# Altium PCB MB1419.PcbDoc (part 2 of 5)
Units mm, origin at the board's own origin, x right, y up, seen from the top; angles counter-clockwise.
Board outline 31 x 41 mm, 8 copper layers (Top Layer, Signal Layer 1, Signal Layer 2, Signal Layer 3, Signal Layer 4, Signal Layer 5, Signal Layer 6, Bottom Layer), stack 1.536 mm thick; 212 components, 125 nets, 637 pads, 2405 vias.
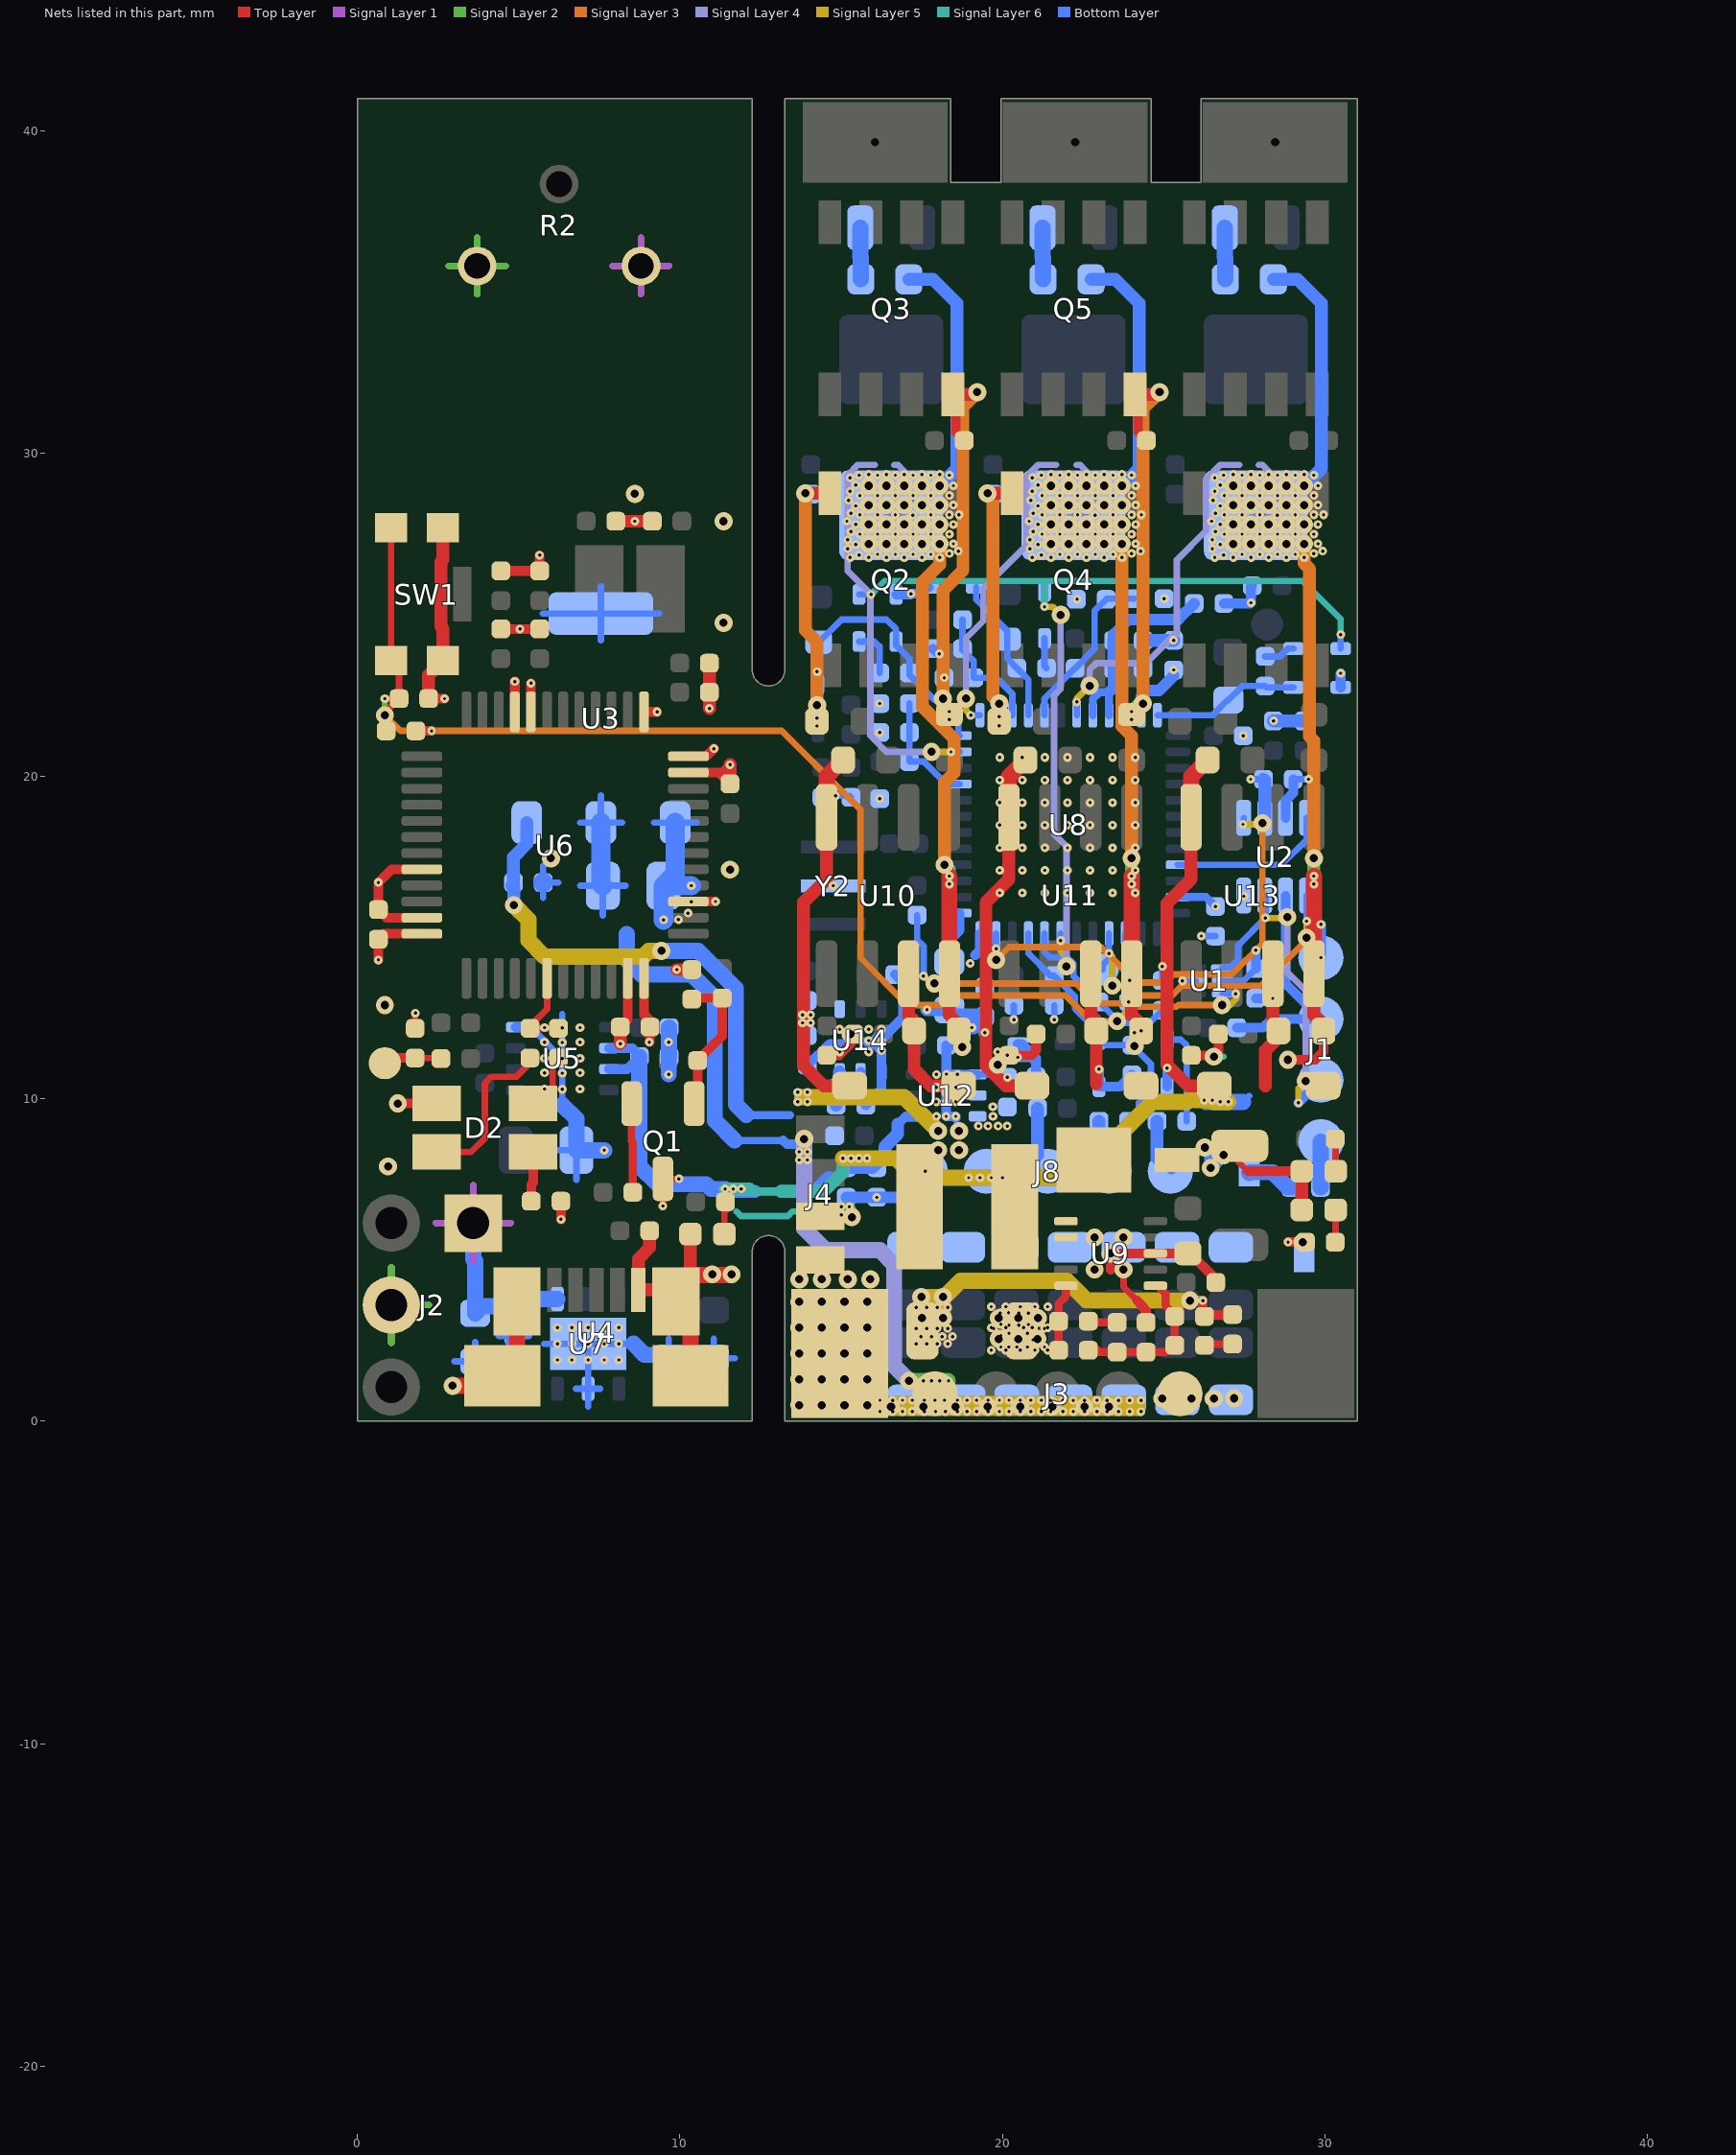
[diagram p8: the nets of this part, all layers, seen from the top]

## Part data (continued)
R64 R65 R66: library part RES, "RES SMD 22K OHM 1% 1/10W 0402", Manufacturer="Panasonic Electronic Components", Manufacturer PN=ERJ-2RKF2202X, Package Size="0402 (1005 Metric)", Rated Power="0.1W, 1/10W", Temperature Coefficient=100ppm/C, Tolerance=1%, CLASS=DISCRETE, PART_NUMBER=TMP-751
R68: library part RES, "RES SMD 169K OHM 1% 1/16W 0402", Manufacturer=Yageo, Manufacturer PN=RC0402FR-07169KL, Package Size="0402 (1005 Metric)", Rated Power="0.063W, 1/16W", Temperature Coefficient=100ppm/C, Tolerance=1%, CLASS=DISCRETE, PART_NUMBER=TMP-424
R74 R75 R77: library part RES, "RES SMD 1.8K OHM 1% 1/16W 0402", Manufacturer=Yageo, Manufacturer PN=RC0402FR-071K8L, Package Size="0402 (1005 Metric)", Rated Power="0.063W, 1/16W", Temperature Coefficient=100ppm/C, Tolerance=1%, CLASS=DISCRETE, PART_NUMBER=TMP-394
R76: library part RES, "RES SMD 18K OHM 1% 1/16W 0402", Manufacturer=Yageo, Manufacturer PN=RC0402FR-0718KL, Package Size="0402 (1005 Metric)", Rated Power="0.063W, 1/16W", Temperature Coefficient=100ppm/C, Tolerance=1%, CLASS=DISCRETE, PART_NUMBER=TMP-425
RT1: library part NTC, "NTC THERMISTOR 10K OHM 1% 0402", Manufacturer="TDK Corporation", Manufacturer PN=NTCG103JF103FT1, Package Size="0402 (1005 Metric)", CLASS=DISCRETE, PART_NUMBER=TMP-423
SW1: library part PUSHBUTTON-SPST-2, "SWITCH TACTILE SPST-NO 0.05A 32V", Manufacturer=C&K, Manufacturer PN=KMR211GLFS, Package Size="4.60mm x 2.80mm", CLASS=DISCRETE, PART_NUMBER=TMP-285
TP1 TP2 TP3: library part TESTPOINT, "TEST POINT 1MM  SMD PADSTASCK", CLASS=IO, PART_NUMBER=TMP-386
U1: library part AS11P2TLR, "IC ANLG SWITCH SGL SPDT 6QFN", Manufacturer=STMicroelectronics, Package Size=6-UFDFN, CLASS=IC, Manufacturer PN=AS11P2TLRQ, PART_NUMBER=TMP-378
U2: library part TCAN330, "IC TXRX CAN 3.3V SOT-23", Manufacturer="Texas Instruments", Package Size=SOT-23-8, Supply Voltage="3 V ~ 3.6 V", CLASS=IC, Manufacturer PN=TCAN330DCNT, PART_NUMBER=TMP-379
U3: library part LD1117SxxxTR_0, "IC REG LINEAR 5V 800MA SOT223", Manufacturer=STMicroelectronics, Package Size="TO-261-4, TO-261AA", CLASS=IC, Manufacturer PN=LD1117S50TR, PART_NUMBER=TMP-381
U4: library part USB_MICRO, "CONN RCPT 5POS MICRO USB R/A", Manufacturer="Molex, LLC", Manufacturer PN=0473460001, CLASS=IO, PART_NUMBER=TMP-434
U5: "IC PWR SWITCH 1.2A HISIDE 8-DFN", Manufacturer=STMicroelectronics, Package Size="8-VDFN Exposed Pad", Supply Voltage="Not Required", CLASS=IC, Manufacturer PN=ST890DTR, PART_NUMBER=TMP-432
U6: "IC MCU 32BIT 128KB FLASH 48LQFP", Manufacturer=STMicroelectronics, Package Size=48-LQFP, Supply Voltage="2 V ~ 3.6 V", CLASS=IC, Manufacturer PN=STM32F103CBT6, PART_NUMBER=TMP-399
U7: "IC REG LINEAR 3.3V 500MA 6DFN", Manufacturer=STMicroelectronics, Package Size="6-VDFN Exposed Pad", CLASS=IC, Manufacturer PN=LD39050PU33R, PART_NUMBER=TMP-358
U8: library part STM32_LQFP64_6
U9: "IC REG BUCK ADJ 3A 10VDFPN", Manufacturer=STMicroelectronics, Package Size="10-VFDFN Exposed Pad", CLASS=IC, Manufacturer PN=L7986TR, PART_NUMBER=TMP-362
U10 U11 U13: library part L6387E, "IC DRIVER HI/LO SIDE HV 8-SOIC", Manufacturer=STMicroelectronics, Package Size="8-SOIC (0.154\", 3.90mm Width)", Supply Voltage="17V (Max)", CLASS=IC, Manufacturer PN=L6387ED, PART_NUMBER=TMP-367
U12 U14: library part LDFPxR, "IC REG LINEAR POS ADJ 1A 6DFN", Manufacturer=STMicroelectronics, Package Size="6-VDFN Exposed Pad", CLASS=IC, Manufacturer PN=LDFPVR, PART_NUMBER=TMP-450
Y1: library part crystal, "CRYSTAL 8.0000MHZ 8PF SMD", Frequency Stability=150ppm, Frequency Tolerance=50ppm, Manufacturer="NDK America, Inc.", Package Size="0.126\" L x 0.098\" W (3.20mm x 2.50mm)", CLASS=DISCRETE, Manufacturer PN=NX3225GD-8MHZ-STD-CRA-3, PART_NUMBER=TMP-435
Y2: library part resonator, "CER RES 8.0000MHZ 33PF SMD", Frequency Stability=0.13%, Frequency Tolerance=0.1%, Manufacturer="Murata Electronics North America", Manufacturer PN=CSTNE8M00GH5C000R0, Package Size="0.126\" L x 0.051\" W (3.20mm x 1.30mm)", CLASS=DISCRETE, PART_NUMBER=TMP-382

## Via types
v1: diameter 0.27, hole 0.1, Top Layer to Signal Layer 1, 715 vias
v2: diameter 0.27, hole 0.1, Signal Layer 6 to Bottom Layer, 503 vias
v3: diameter 0.27, hole 0.1, Signal Layer 1 to Signal Layer 2, 497 vias
v4: diameter 0.27, hole 0.1, Signal Layer 5 to Signal Layer 6, 309 vias
v5: diameter 0.559, hole 0.254, Top Layer to Bottom Layer, 214 vias
v6: diameter 0.559, hole 0.254, Signal Layer 2 to Signal Layer 5, 155 vias
v7: diameter 0.254, hole 0.254, Top Layer to Bottom Layer, 12 vias

## Nets (pads, with @x,y where several pads share a name; then routed paths per layer and width w, separated by ;. In a path a pad name is that pad's centre, name@x,y a point inside that pad or via, vN(x,y) a via of type N, cw(c..) or ccw(c..) an arc to the next point about the centre after c; other vN are vias at no path point)
5V_ESC: C9.1 C57.1 C63.1 C70.1 D1.C J8.4 R42.2 U5.6 U5.7 U12.1 U14.5 U14.6 | length 37.7
  Signal Layer 5 w0.5: v4(15.05,8.15) v4(15.3,8.15) v4(15.55,8.15) v4(15.8,8.15) 16.7,8.15 17.3,7.55 v2(18.95,7.55) v2(19.3,7.55) v2(19.65,7.55) v2(20,7.55) 22.3,7.55 24.65,9.9 25.713,9.9 25.763,9.95 v4(26.25,9.95) v4(26.5,9.95) 26.55,9.9 v4(26.75,9.9) v4(27,9.9)
  Signal Layer 6 w0.2: 12.146,7.2 12.2,7.146
  Signal Layer 6 w0.25: 12.2,7.146 12.225,7.121 13.129,7.121
  Signal Layer 6 w0.4: v2(11.4,7.2) v2(11.65,7.2) v2(11.9,7.2) 12.146,7.2 ; 13.129,7.121 14.458,7.121 15.05,7.713 v4(15.05,8.15) v4(15.3,8.15) v4(15.55,8.15) v4(15.8,8.15)
  Signal Layer 6 w0.5: v4(26.25,9.95) 26.3,9.9 26.45,9.9 v4(26.5,9.95) 26.55,9.9 v4(26.75,9.9) v4(27,9.9)
  Bottom Layer w0.2: C9.1@8.74,11.3 C9.1@8.74,11.35 ; 27.45,9.9 27.631,10.081 D1.C@27.65,10.081
  Bottom Layer w0.25: 12.323,7.127 12.477,7.127 12.483,7.121 12.917,7.121 12.923,7.127 13.15,7.127
  Bottom Layer w0.3: U5.7@7.795,10.915 8.365,10.915 8.74,11.29 C9.1@8.74,11.3 ; U5.6@7.795,11.565 8.525,11.565 C9.1@8.74,11.35 ; U14.6@14.95,10.6 15.103,10.447 15.386,10.447 15.6,10.661 U14.5@15.6,10.825 ; 16.75,9.2 17,9.45 U12.1@17.275,9.45
  Bottom Layer w0.4: v2(11.4,7.2) 11.45,7.2 11.523,7.127 12.323,7.127 ; 13.15,7.127 14.177,7.127 14.61,7.56 ; C63.1@14.84,9.8 14.84,10.49 14.95,10.6 U14.6@14.95,10.825 ; C57.1@15.15,7.86 15.95,7.86 16.35,8.26 16.35,8.51 16.75,8.91 16.75,9.2
  Bottom Layer w0.5: C9.1@8.74,11.29 8.74,7.91 9.3,7.35 10.8,7.35 10.95,7.2 v2(11.4,7.2) ; v4(26.25,9.95) 26.7,9.95 v4(26.75,9.9) 27.45,9.9
  other v2: 15.05,8.15 15.3,8.15 15.55,8.15 15.8,8.15 26.75,9.9 26.25,9.95
  other v4: 18.95,7.55 19.3,7.55 19.65,7.55 20,7.55
+3.3V: C1.1 C2.1 C18.1 C19.2 C20.1 C24.1 C64.1 D10.C D12.C D14.C D16.C D17.C D18.C D19.C J4.3 L1.1 R29.1 R49.2 R64.2 R65.2 R66.2 R71.1 R72.1 R73.2 RT1.1 U1.2 U2.3 U8.1 U8.23 U8.35 U8.48 U14.1 | length 21.6
  Top Layer w0.2: J4.3@14.7,6.35 15,6.35 v3(15,6.4) v3(15,6.65)
  Top Layer w0.3: v3(28.85,5.55) R29.1@29.39,5.55
  Signal Layer 2 w0.2: v3(15,6.4) 15,6.45 15.15,6.6 15.2,6.6 v3(15.25,6.65) v6@15.25,6.45 ; v3(28.85,5.55) v6(29.3,5.55)
  Signal Layer 2 w0.27: v3(15,6.4) 15.075,6.325 v6(15.325,6.325) 15.325,6.575 v3(15.25,6.65) v3(15,6.65) v3@15,6.45
  Bottom Layer w0.2: v4(13.8,12.35) 13.95,12.2 C64.1@13.95,11.96 ; R71.1@24.95,13.66 v4(24.95,14.1) ; U1.2@26.82,13.65 27.47,13.65 C1.1@27.85,14.03 ; C2.1@29.01,19.9 v4(29.487,19.9)
  Bottom Layer w0.25: U8.23@24.3,21.885 24.3,22.465 ; C24.1@25.3,23.1 v4(25.3,23.29) ; U8.35@25.435,16.25 26.31,16.25 v4(26.6,15.96)
  Bottom Layer w0.3: v4(14.25,23.237) 14.27,23.217 D16.C@14.27,22.83 ; D10.C@16.7,25.63 17.143,25.63 v4(17.163,25.65) 17.35,25.65 17.55,25.85 D12.C@17.72,25.85 ; R65.2@17.84,23.95 17.94,23.85 17.98,23.85 v4(18.04,23.79) ; 18.45,15 18.665,15.215 U8.1@18.665,15.75 ; 19.15,14.45 19.3,14.6 U8.48@19.3,15.115 ; R73.2@21.04,10.68 21.04,11.13 ; v4(22.99,10.91) D18.C@22.99,10.37 23.64,10.37 R72.1@24.01,10.74 ; D17.C@25.1,10.37 v4(25.1,10.95) ; L1.1@26.86,25.35 27.677,25.35 v4(27.7,25.373) 27.7,25.86 RT1.1@27.74,25.9 ; C1.1@27.85,14.03 v4(27.85,14.6) ; U2.3@28.775,18.705 28.775,19.24 29.01,19.475 C2.1@29.01,19.9 ; D14.C@30.48,22.75 v4(30.48,23.187) ; D19.C@20.47,11.7 v4(20.47,11.28) 20.89,11.28 ; D19.C@20.47,11.7 20.89,11.28 ; D19.C@20.47,11.7 20.59,11.7 21.01,11.28 ; 20.89,11.28 21.01,11.28 ; 20.89,11.28 21.04,11.13 ; 21.01,11.28 21.04,11.25 21.04,11.13
  Bottom Layer w0.35: 24.3,22.465 24.485,22.65 24.85,22.65 C24.1@25.3,23.1
  other v1: 28.85,5.55 15,6.4 15,6.65 15.25,6.65
  other v2: 22.99,10.91 25.1,10.95 20.47,11.28 13.8,12.35 14.05,12.35 13.8,12.6 14.05,12.6 24.95,14.1 19,14.195 27.85,14.6 26.6,15.96 29.487,19.9 16.19,22.25 30.48,23.187 14.25,23.237 25.3,23.29 18.04,23.79 27.7,25.373 22.31,25.48 17.163,25.65
  other v4: 14.05,12.35 13.8,12.6 14.05,12.6 19,14.195 16.19,22.25 22.31,25.48
+3V3_ST_LINK: C3.1 C4.1 C16.1 C17.1 J2.1 Q1.3 R2.3 R10.1 R11.1 R15.1 R19.2 U6.1 U6.9 U6.24 U6.36 U6.39 U6.48 U7.4 | length 33.2
  Top Layer w0.2: v1(9.47,6.67) Q1.3@9.47,7.515 v1(9.965,7.515)
  Top Layer w0.3: v1(0.65,14.3) C3.1@0.65,14.94 0.82,15.11 U6.24@2,15.11 ; R10.1@1.81,21.4 v1(2.3,21.4) ; R19.2@4.45,26.36 R15.1@5.65,26.36 v3(5.65,26.85) ; U6.9@4.88,21.99 v1(4.88,22.93) ; v1(6.31,6.26) R11.1@6.31,6.82 ; U6.36@8.88,13.73 8.88,12.61 9.07,12.42 9.07,11.77 v1(9.05,11.75) ; U6.1@8.88,21.99 v1(9.29,21.99) ; U6.39@10.26,16.11 v1(11.1,16.11) ; U6.48@10.26,20.61 10.81,20.61 v1(11.05,20.85)
  Signal Layer 1 w0.2: 2.423,6.14 J2.1@3.59,6.14 ; 3.59,4.973 J2.1@3.59,6.14 ; 3.59,7.307 J2.1@3.59,6.14 ; 4.757,6.14 J2.1@3.59,6.14 ; 7.912,35.815 R2.3@8.79,35.815 ; 8.79,34.937 R2.3@8.79,35.815 ; 8.79,36.693 R2.3@8.79,35.815 ; 9.668,35.815 R2.3@8.79,35.815
  Signal Layer 5 w0.2: 2.423,6.14 J2.1@3.59,6.14 ; 3.59,4.973 J2.1@3.59,6.14 ; 3.59,7.307 J2.1@3.59,6.14 ; 4.757,6.14 J2.1@3.59,6.14 ; 7.912,35.815 R2.3@8.79,35.815 ; 8.79,34.937 R2.3@8.79,35.815 ; 8.79,36.693 R2.3@8.79,35.815 ; 9.668,35.815 R2.3@8.79,35.815
  Bottom Layer w0.5: J2.1@3.59,6.14 3.59,5.024 3.65,4.964 C16.1@3.65,3.345 3.865,3.56 C17.1@4.85,3.56 5.367,3.56 5.597,3.79 U7.4@6.2,3.79
  other v1: 5.65,26.85
+5V: C6.1 J3.1 U3.2 U3.4 | length 38.3
  Top Layer w0.2: J3.1@17.9,0.85 J3.1@18.05,0.85 ; J3.1@18.297,1.25 J3.1@18.323,1.25
  Signal Layer 2 w0.2: v6(17.1,1.25) 17.108,1.258 v3@17.442,1.258
  Signal Layer 2 w0.5: v6(17.1,1.25) v3(17.55,1.25) v3(17.8,1.25) v3(18.05,1.25) v3@18.297,1.25
  Signal Layer 4 w0.5: v6(13.85,8.75) 13.85,5.971 14.521,5.3 16.2,5.3 16.636,4.864 16.636,1.714 v6(17.1,1.25)
  Signal Layer 5 w0.2: v4(13.7,8.35) 13.825,8.225 v4(13.95,8.1) ; v4(13.7,8.35) 13.7,8.6 v6(13.85,8.75) ; v4(13.7,8.35) v4(13.7,8.1) v4(13.95,8.1) ; v4(13.7,8.35) v4(13.95,8.35) ; v6(13.85,8.75) 13.95,8.65 v4@13.95,8.4 ; v6(13.85,8.75) 13.85,8.5 v4@13.95,8.4 ; v4(13.95,8.1) v4(13.95,8.35) ; v4(13.95,8.35) v4@13.95,8.4
  Bottom Layer w0.2: 5.747,25.04 U3.4@7.55,25.04 ; 6.897,18.56 U3.2@7.55,18.56 ; 6.907,16.6 C6.1@7.61,16.6 ; 7.55,19.398 U3.2@7.55,18.56 ; 7.55,24.202 U3.4@7.55,25.04 ; 7.55,25.878 U3.4@7.55,25.04 ; 7.61,15.682 C6.1@7.61,16.6 ; 7.61,17.518 C6.1@7.61,16.6 ; 8.203,18.56 U3.2@7.55,18.56 ; 8.313,16.6 C6.1@7.61,16.6 ; 8.35,15.1 8.35,15.2 ; 9.353,25.04 U3.4@7.55,25.04 ; v4(13.7,8.35) v4(13.7,8.1) v4(13.95,8.1)
  Bottom Layer w0.22: 11.7,8.7 13.2,8.7
  Bottom Layer w0.3: 13.2,8.7 13.314,8.586 13.85,8.586
  Bottom Layer w0.5: 8.35,15.1 8.35,14.3 8.8,13.85 10.352,13.85 11.08,13.122 11.08,9.32 11.7,8.7
  Bottom Layer w0.6: U3.2@7.55,18.56 7.55,16.66 C6.1@7.61,16.6
  other v1: 17.55,1.25 17.8,1.25 18.05,1.25 18.325,1.25
  other v2: 13.7,8.1 13.95,8.1 13.7,8.35 13.95,8.35
  other v3: 18.325,1.25
+10V: C5.1 C42.2 C45.2 C49.1 C55.1 C56.1 C62.1 D6.A D8.A D9.A L2.2 R30.1 U3.3 U10.3 U11.3 U12.5 U12.6 U13.3 | length 48.6
  Top Layer w0.3: v3(26.21,3.74) 26.21,3.4 26.26,3.35 R30.1@26.26,3.25 26.31,3.3 27.12,3.3 C42.2@27.13,3.31
  Top Layer w0.4: U10.3@17.085,13.875 17.085,12.578 17.255,12.408 C49.1@17.255,12.1 17.255,10.918 17.773,10.4 D6.A@18.575,10.4 ; U11.3@22.735,13.875 22.735,12.578 22.905,12.408 C55.1@22.905,12.1 22.905,10.449 ; 28.15,10.4 28.15,11.5 28.555,11.905 C62.1@28.555,12.1 28.385,12.27 U13.3@28.385,13.875
  Signal Layer 2 w0.3: v6(25.81,3.74) v3(26.21,3.74)
  Signal Layer 3 w0.2: v6@18.085,3.87 18.1,3.856 v6(18.15,3.856)
  Signal Layer 5 w0.2: 14.1,10.05 v4(13.95,10.2) ; v4(13.65,10.2) v4(13.95,10.2) ; v4(13.65,10.2) v4(13.65,9.9) v4(13.95,9.9) ; v4(13.65,10.2) v4(13.95,9.9) ; v4(13.95,9.9) v4(13.95,10.2)
  Signal Layer 5 w0.5: v5(4.85,16) 5.3,15.55 5.3,14.9 5.8,14.4 8.85,14.4 9.031,14.581 v5(9.422,14.581) ; 14.1,10.05 16.95,10.05 v6(18,9) ; v6(25.81,3.74) 22.61,3.74 22,4.35 18.7,4.35 18.206,3.856 v6(18.15,3.856) ; v6(17.479,3.848) 17.811,3.516 v6@18.127,3.2 ; v6(17.479,3.848) 17.479,3.221 v6(17.5,3.2) v6@18.127,3.2 ; v6(17.479,3.848) 17.487,3.856 v6(18.15,3.856) ; v6@18.127,3.2 v6(18.15,3.2) v6(18.15,3.856)
  Bottom Layer w0.2: C5.1@4.79,16.6 4.79,16.65 C5.1@4.84,16.7 ; 12.05,9.5 12.057,9.493 ; 13.412,9.493 13.419,9.5 ; v4(13.65,9.9) 13.641,9.908 13.641,10.192 v4(13.65,10.2)
  Bottom Layer w0.25: 12.057,9.493 13.412,9.493
  Bottom Layer w0.4: v5(4.85,16) 4.85,16.54 4.79,16.6 4.84,16.65 C5.1@4.84,16.7 4.84,17.49 5.25,17.9 U3.3@5.25,18.56
  Bottom Layer w0.5: v5(9.422,14.581) 10.569,14.581 11.73,13.42 11.73,9.82 12.05,9.5
  other v1: 17.325,2.4 17.65,2.4 17.975,2.4 18.3,2.4 17.475,2.625 17.8,2.625 18.125,2.625 18.45,2.625 17.325,2.875 17.65,2.875 17.975,2.875 18.3,2.875 17.325,3.525 17.65,3.525 17.975,3.525 18.3,3.525 26.21,3.74
  other v2: 19.25,9.15 19.55,9.15 19.86,9.15 20.142,9.15 19.7,9.45 19.7,9.75 13.65,9.9 13.95,9.9 13.65,10.2 13.95,10.2
  other v3: 17.325,2.4 17.65,2.4 17.975,2.4 18.3,2.4 17.475,2.625 17.8,2.625 18.125,2.625 18.45,2.625 17.325,2.875 17.65,2.875 17.975,2.875 18.3,2.875 17.325,3.525 17.65,3.525 17.975,3.525 18.3,3.525
  other v4: 19.25,9.15 19.55,9.15 19.86,9.15 20.142,9.15 19.7,9.45 19.7,9.75
  other v6: 18,8.4 18.65,8.4 18.65,9
A+/H1: C67.1 D17.A R71.2 R74.2 U8.44 | length 9.5
  Bottom Layer w0.2: U8.44@21.3,15.115 21.3,14.55 21.47,14.38 22,14.38 22.2,14.18 22.2,13.79 23.64,12.35 24.56,12.35 R71.2@24.95,12.74 25.1,12.59 D17.A@25.1,11.83 25.527,11.83 25.71,11.647 R74.2@25.71,9.3
B+/H2: C68.1 D18.A R72.2 R75.2 U8.45 | length 8.2
  Bottom Layer w0.2: U8.45@20.8,15.115 20.8,14.5 21.49,13.81 C68.1@21.6,13.81 22.24,13.17 22.24,12.8 22.99,12.05 D18.A@22.99,11.83 23.05,11.83 23.22,11.66 R72.2@24.01,11.66 24.6,11.07 24.6,10.25 24.22,9.87 24.22,9.61 R75.2@23.91,9.3
BEMF1: D10.A R57.1 R61.2 U8.12 | length 7.1
  Bottom Layer w0.2: R61.2@14.3,24.145 15.005,24.85 16.4,24.85 16.7,24.55 D10.A@16.7,24.17 16.7,24.05 17.11,23.64 17.11,23.138 17.898,22.35 18.2,22.35 18.63,21.92 18.63,21.25 U8.12@18.665,21.25
BEMF2: D12.A R58.1 R62.2 U8.16 | length 4.6
  Bottom Layer w0.2: D12.A@19.18,25.85 19.18,25.47 20.15,24.5 R62.2@20.15,24.245 20.15,23.64 R58.1@20.44,23.35 20.8,22.99 U8.16@20.8,21.885
BEMF3: D14.A R59.1 R63.2 U8.24 | length 4.6
  Bottom Layer w0.2: U8.24@24.8,21.885 26.5,21.885 26.97,22.355 R63.2@27,22.355 27.435,22.79 R59.1@28.14,22.79 28.18,22.75 D14.A@29.02,22.75
BUTTON: C8.1 R10.2 SW1.3 SW1.4 U8.39 | length 40
  Top Layer w0.2: v3(0.85,22.4) C8.1@1.29,22.4 ; R10.2@0.89,21.4 0.89,22 C8.1@1.29,22.4 ; SW1.3@1.045,27.695 SW1.4@1.045,23.584 1.29,23.34 C8.1@1.29,22.4
  Signal Layer 2 w0.2: v6(0.85,21.884) v3(0.85,22.4)
  Signal Layer 3 w0.2: v6(0.85,21.884) 1.334,21.4 13.15,21.4 15.6,18.95 15.6,14.35 17.05,12.9 18.35,12.9 18.65,13.2 21.95,13.2 22.75,12.4 v6(23.55,12.4)
  Signal Layer 5 w0.2: v6(23.55,12.4) 23.941,12.792 v4(23.941,13.662)
  Bottom Layer w0.2: U8.39@23.8,15.115 23.8,14.403 23.941,14.262 v4(23.941,13.662)
  other v1: 0.85,22.4
  other v2: 23.941,13.662
CAN_RX: U2.4 U8.33 | length 5
  Bottom Layer w0.2: U8.33@25.435,17.25 28.65,17.25 29.425,18.025 U2.4@29.425,18.705
CAN_SHDN: TP2.1 U2.5 U8.40 | length 10.5
  Signal Layer 3 w0.2: v6(23.4,13.5) 23.75,13.5 24.05,13.2 25.25,13.2 25.55,13.5 28,13.5 29.425,14.925 v6(29.425,14.987)
  Signal Layer 5 w0.2: v4(23.3,14.5) 23.4,14.4 v6(23.4,13.5) ; v6(29.425,14.987) v4(29.425,15.503)
  Bottom Layer w0.2: TP2.1@23.1,14 23.1,14.15 23.3,14.35 v4(23.3,14.5) U8.40@23.3,15.115 ; v4(29.425,15.503) U2.5@29.425,16.295
  other v2: 23.3,14.5 29.425,15.503
CAN_TERM: R26.2 U1.3 | length 12.8
  Signal Layer 3 w0.2: v6(17.89,13.571) 22.279,13.571 22.9,12.95 23.8,12.95 23.85,12.9 23.855,12.9 23.905,12.85 25.395,12.85 25.445,12.9 v6(26.8,12.9) v6@26.82,12.9
  Signal Layer 5 w0.2: v4(17.55,13.8) 17.561,13.8 17.79,13.571 v6(17.89,13.571) ; v6(26.8,12.9) 27.05,12.9 27.25,13.1 v4@27.25,13.25
  Bottom Layer w0.2: R26.2@17.35,15.69 17.35,14.923 17.55,14.723 v4(17.55,13.8) ; U1.3@26.82,13.25 v2@27.25,13.25
  other v2: 27.225,13.25 17.55,13.8
  other v4: 27.225,13.25
CAN_TX: U2.1 U8.47 | length 14.7
  Signal Layer 3 w0.2: v6(19.8,14.3) 20.2,14.7 23.049,14.7 24.149,13.6 25.05,13.6 25.3,13.85 27.1,13.85 28.057,14.807 v6(28.057,18.539)
  Signal Layer 5 w0.2: v6(19.8,14.3) v4(19.8,14.65) ; v4(27.455,18.505) 28.023,18.505 v6(28.057,18.539)
  Bottom Layer w0.2: v4(19.8,14.65) U8.47@19.8,15.115 ; v4(27.455,18.505) 27.475,18.525 U2.1@27.475,18.705
  other v2: 19.8,14.65 27.455,18.505
CURR_FDBK1_OPAMP+: R64.1 R67.1 R80.2 U8.9 | length 3.6
  Bottom Layer w0.2: R64.1@17.11,22.25 R80.2@17.11,21.35 R67.1@17.11,20.45 17.55,20.45 18.25,19.75 U8.9@18.665,19.75
CURR_FDBK1_OPAMP-: JP1.1 U8.11 | length 12.3
  Signal Layer 4 w0.2: JP1.1@16.035,29.65 15.515,29.65 15.2,29.335 15.2,26.35 15.9,25.65 15.9,21.25 16.4,20.75 v6(17.8,20.75)
  Signal Layer 5 w0.2: v6(17.8,20.75) v4(18.4,20.75)
  Bottom Layer w0.2: v4(18.4,20.75) U8.11@18.665,20.75
  other v2: 18.4,20.75
CURR_FDBK2_OPAMP+: R65.1 R69.1 R81.2 U8.15 | length 4
  Bottom Layer w0.2: R69.1@18.76,24.85 R65.1@18.76,23.95 18.76,23.907 19.11,23.557 R81.2@19.11,23.05 19.795,23.05 20.3,22.545 U8.15@20.3,21.885
CURR_FDBK2_OPAMP-: JP2.1 U8.13 | length 9.6
  Signal Layer 4 w0.2: v6(18.865,22.401) 18.865,24.265 19.4,24.8 19.4,25.805 20.75,27.155 20.75,29.3 21.1,29.65 JP2.1@21.66,29.65
  Signal Layer 5 w0.2: v6(18.865,22.401) 18.865,22.035 v4(19.015,21.885)
  Bottom Layer w0.2: v4(19.015,21.885) U8.13@19.3,21.885
  other v2: 19.015,21.885
CURR_FDBK3_OPAMP+: R66.1 R70.1 R82.2 U8.17 | length 5.3
  Bottom Layer w0.2: U8.17@21.3,21.885 21.3,22.4 22.24,23.34 R70.1@22.25,23.34 22.85,23.94 22.85,25.12 R66.1@23.21,25.48 23.23,25.5 R82.2@24.09,25.5
CURR_FDBK3_OPAMP-: JP3.1 U8.19 | length 11.1
  Signal Layer 4 w0.2: v6(22.7,22.8) 22.7,23.3 22.9,23.5 24.45,23.5 25.4,24.45 25.4,26.7 26.3,27.6 26.3,29.2 26.75,29.65 JP3.1@27.34,29.65
  Signal Layer 5 w0.2: v4(22.3,22.3) 22.3,22.4 v6(22.7,22.8)
  Bottom Layer w0.2: U8.19@22.3,21.885 v4(22.3,22.3)
  other v2: 22.3,22.3
D: J1.2 U1.1 U2.7 | length 10.7
  Signal Layer 4 w0.2: v6(28.825,15.625) 28.825,13.925 29.4,13.35 v6(29.4,10.55)
  Signal Layer 5 w0.2: v4(28.15,15.6) 28.8,15.6 v6(28.825,15.625) ; v4(29.172,9.872) 29.172,10.322 v6(29.4,10.55)
  Bottom Layer w0.2: U1.1@26.805,14.05 27.04,14.05 27.3,14.31 27.3,14.75 v4(28.15,15.6) 28.15,16.295 U2.7@28.125,16.295